# Altium PCB freq_conv_test_unit_pcb (3).PcbDoc (continued)
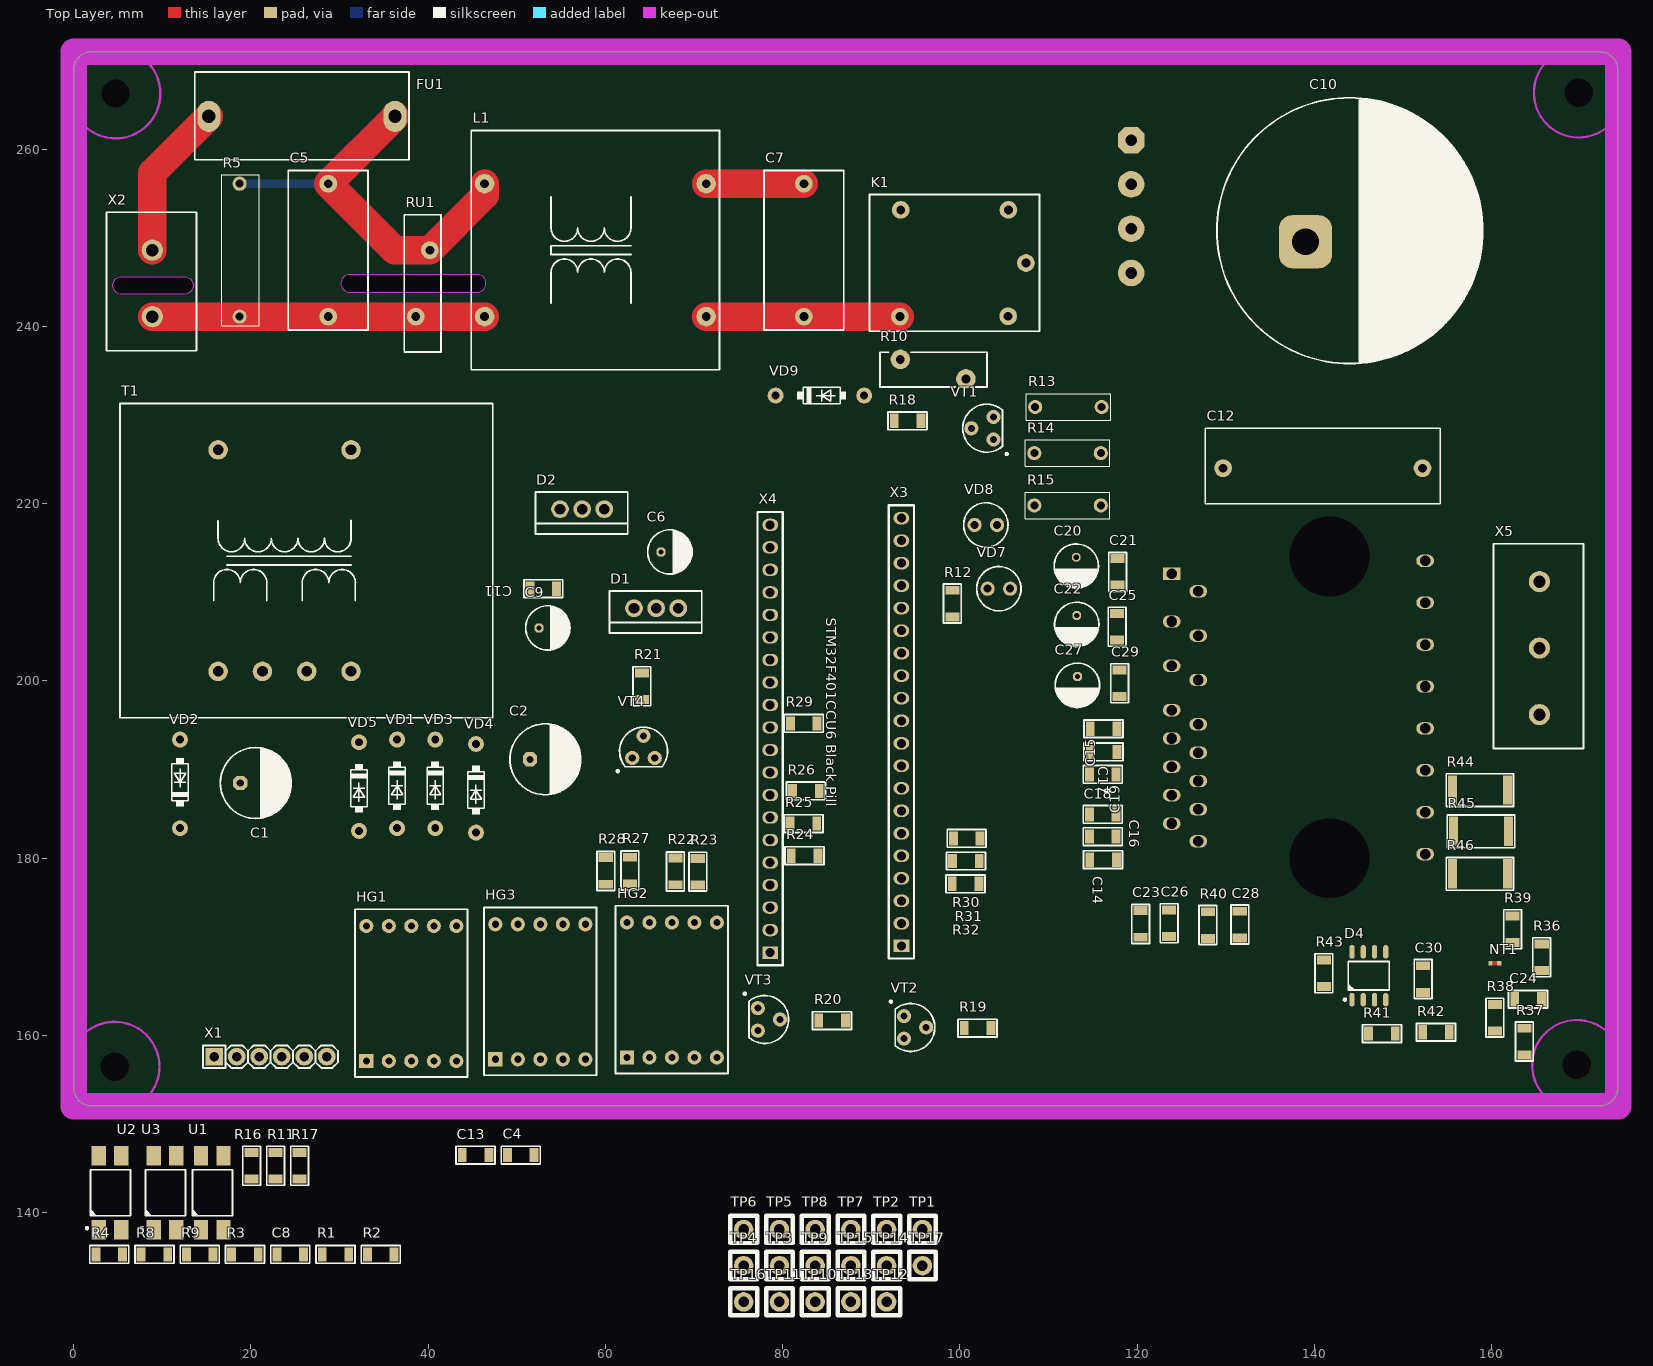
[diagram p0: Top Layer view]
## Components (designator, comment, footprint, x,y, rotation, side; value= is the part's Value field where it differs from the comment) (continued)
HG2 "Single Digit Display LED, , -25...+85°C, TOS-5161AMR-N" TOS-5161AMR-N 62.42,157.5 r90 top
HG3 "Single Digit Display LED, , -25...+85°C, TOS-5161AMR-N" TOS-5161AMR-N 47.58,157.3 r90 top
K1 "SRD-05VDC-SL-C" SRD-05VDC-SL-C 99.95,247.275 r0 top
L1 "Fixed inductor, 2.7mH, ±30%, B82723A, CuNi18Zn20," "IND: B82723A" 46.375,256.1 r0 top value=2.7mH
NT1 "Net_Tie" "NET TIE 0.5_1.5" 160.375,168.15 r0 top
R1 "Resistor film, 4.7k, ±5%, 1206, 0.25W, -55...+125°C" "RES: 1206" 29.544,135.284 r0 top value=4.7k
R2 "Resistor film, 2k, ±5%, 1206, 0.25W, -55...+125°C" "RES: 1206" 34.652,135.284 r0 top value=2k
R3 "Resistor film, 10k, ±5%, 1206, 0.25W, -55...+125°C" "RES: 1206" 19.328,135.284 r0 top value=10k
R4 "Resistor film, 4.7k, ±5%, 1206, 0.25W, -55...+125°C" "RES: 1206" 4.004,135.284 r0 top value=4.7k
R5 "" "RES: Axial 15mm" 18.725,241.1 r90 top value=1M
R6 "Resistor film, 100R, ±5%, 1206, 0.25W, -55...+125°C" "RES: 1206" 71,212.975 r270 bottom value=100R
R7 "Resistor film, 100R, ±5%, 1206, 0.25W, -55...+125°C" "RES: 1206" 66.85,211.525 r180 bottom value=100R
R8 "Resistor film, 2k, ±5%, 1206, 0.25W, -55...+125°C" "RES: 1206" 9.112,135.284 r0 top value=2k
R9 "Resistor film, 10k, ±5%, 1206, 0.25W, -55...+125°C" "RES: 1206" 14.22,135.284 r0 top value=10k
R10 "NTC resistor, 33, ±20%, pitch 7.5mm, 2.5A, -55...+170°C" "RES: B57237 (NTC)" 100.975,235.175 r180 top value=33
R11 "Resistor film, 4.7k, ±5%, 1206, 0.25W, -55...+125°C" "RES: 1206" 22.786,145.292 r270 top value=4.7k
R12 "Resistor film, 100R, ±5%, 1206, 0.25W, -55...+125°C" "RES: 1206" 99.15,208.725 r270 top value=100R
R13 "" "RES: Axial 7.62MM" 108.5,230.9 r0 top value=150k
R14 "" "RES: Axial 7.62MM" 115.9,225.7 r180 top value=150k
R15 "" "RES: Axial 7.62MM" 108.4,219.8 r0 top value=150k
R16 "Resistor film, 2k, ±5%, 1206, 0.25W, -55...+125°C" "RES: 1206" 20.078,145.292 r270 top value=2k
R17 "Resistor film, 10k, ±5%, 1206, 0.25W, -55...+125°C" "RES: 1206" 25.494,145.292 r270 top value=10k
R18 "Resistor film, 100R, ±5%, 1206, 0.25W, -55...+125°C" "RES: 1206" 94.1,229.35 r0 top value=100R
R19 "Resistor film, 1.5k, ±5%, 1206, 0.25W, -55...+125°C" "RES: 1206" 102,160.825 r180 top value=1.5k
R20 "Resistor film, 1.5k, ±5%, 1206, 0.25W, -55...+125°C" "RES: 1206" 85.575,161.675 r180 top value=1.5k
R21 "Resistor film, 1.5k, ±5%, 1206, 0.25W, -55...+125°C" "RES: 1206" 64.125,199.4 r270 top value=1.5k
R22 "Resistor film, 75, ±5%, 1206, 0.25W, -55...+125°C" "RES: 1206" 67.9,178.5 r270 top value=75
R23 "Resistor film, 75, ±5%, 1206, 0.25W, -55...+125°C" "RES: 1206" 70.425,178.475 r270 top value=75
R24 "Resistor film, 75, ±5%, 1206, 0.25W, -55...+125°C" "RES: 1206" 82.475,180.275 r0 top value=75
R25 "Resistor film, 75, ±5%, 1206, 0.25W, -55...+125°C" "RES: 1206" 82.35,183.9 r0 top value=75
R26 "Resistor film, 75, ±5%, 1206, 0.25W, -55...+125°C" "RES: 1206" 82.625,187.575 r0 top value=75
R27 "Resistor film, 75, ±5%, 1206, 0.25W, -55...+125°C" "RES: 1206" 62.775,178.6 r270 top value=75
R28 "Resistor film, 75, ±5%, 1206, 0.25W, -55...+125°C" "RES: 1206" 60.05,178.55 r270 top value=75
R29 "Resistor film, 75, ±5%, 1206, 0.25W, -55...+125°C" "RES: 1206" 82.375,195.2 r0 top value=75
R30 "Resistor film, 100, ±5%, 1206, 0.25W, -55...+125°C" "RES: 1206" 100.638,177.1 r0 top value=100
R31 "Resistor film, 100, ±5%, 1206, 0.25W, -55...+125°C" "RES: 1206" 100.688,179.675 r0 top value=100
R32 "Resistor film, 100, ±5%, 1206, 0.25W, -55...+125°C" "RES: 1206" 100.763,182.225 r0 top value=100
R33 "Resistor film, 100, ±5%, 1206, 0.25W, -55...+125°C" "RES: 1206" 100.863,184.925 r0 bottom value=100
R34 "Resistor film, 100, ±5%, 1206, 0.25W, -55...+125°C" "RES: 1206" 100.838,187.45 r0 bottom value=100
R35 "Resistor film, 100, ±5%, 1206, 0.25W, -55...+125°C" "RES: 1206" 101.025,190.7 r0 bottom value=100
R36 "Resistor film, 100, ±5%, 1206, 0.25W, -55...+125°C" "RES: 1206" 165.65,168.825 r90 top value=100
R37 "Resistor film, 100, ±5%, 1206, 0.25W, -55...+125°C" "RES: 1206" 163.7,159.3 r90 top value=100
R38 "Resistor film, 100, ±5%, 1206, 0.25W, -55...+125°C" "RES: 1206" 160.375,162 r90 top value=100
R39 "Resistor film, 1k, ±5%, 1206, 0.25W, -55...+125°C" "RES: 1206" 162.375,171.975 r90 top value=1k
R40 "Resistor film, 3.6k, ±5%, 1206, 0.25W, -55...+125°C" "RES: 1206" 127.988,172.45 r270 top value=3.6k
R41 "Resistor film, 24k, ±5%, 1206, 0.25W, -55...+125°C" "RES: 1206" 147.625,160.2 r0 top value=24k
R42 "Resistor film, 240, ±5%, 1206, 0.25W, -55...+125°C" "RES: 1206" 153.725,160.35 r180 top value=240
R43 "Resistor film, 4.7k, ±5%, 1206, 0.25W, -55...+125°C" "RES: 1206" 141.075,167 r90 top value=4.7k
R44 "Resistor film, 0.01, ±1%, 2512, 1W, -55...+125°C" "RES: 2512" 158.675,187.675 r0 top value=0.01
R45 "Resistor film, 0.01, ±1%, 2512, 1W, -55...+125°C" "RES: 2512" 158.8,183.025 r0 top value=0.01
R46 "Resistor film, 0.01, ±1%, 2512, 1W, -55...+125°C" "RES: 2512" 158.675,178.225 r0 top value=0.01
RU1 "Varistor, 275VAC, pitch 7mm,  -40…85°C" "VARISTOR: B72214" 40.2,248.6 r270 top
T1 "Transformer, TP112-11" "TRANS: TP-112" 26.287,213.587 r0 top
TP1 "Test_Point" "TEST POINT KEYSTONE" 95.769,138.092 r0 top
TP2 "Test_Point" "TEST POINT KEYSTONE" 91.736,138.092 r0 top
TP3 "Test_Point" "TEST POINT KEYSTONE" 79.637,134.009 r0 top
TP4 "Test_Point" "TEST POINT KEYSTONE" 75.604,134.009 r0 top
TP5 "Test_Point" "TEST POINT KEYSTONE" 79.637,138.092 r0 top
TP6 "Test_Point" "TEST POINT KEYSTONE" 75.604,138.092 r0 top
TP7 "Test_Point" "TEST POINT KEYSTONE" 87.703,138.092 r0 top
TP8 "Test_Point" "TEST POINT KEYSTONE" 83.67,138.092 r0 top
TP9 "Test_Point" "TEST POINT KEYSTONE" 83.67,134.009 r0 top
TP10 "Test_Point" "TEST POINT KEYSTONE" 83.67,129.926 r0 top
TP11 "Test_Point" "TEST POINT KEYSTONE" 79.637,129.926 r0 top
TP12 "Test_Point" "TEST POINT KEYSTONE" 91.736,129.926 r0 top
TP13 "Test_Point" "TEST POINT KEYSTONE" 87.703,129.926 r0 top
TP14 "Test_Point" "TEST POINT KEYSTONE" 91.736,134.009 r0 top
TP15 "Test_Point" "TEST POINT KEYSTONE" 87.703,134.009 r0 top
TP16 "Test_Point" "TEST POINT KEYSTONE" 75.604,129.926 r0 top
TP17 "Test_Point" "TEST POINT KEYSTONE" 95.769,134.009 r0 top
U1 "IC optoisolator, 4µs/3µs, 5000Vrms, 35V, -40...+125°C, 4-SMD" 4-SMD 15.62,142.242 r90 top
U2 "IC optoisolator, 4µs/3µs, 5000Vrms, 35V, -40...+125°C, 4-SMD" 4-SMD 4.104,142.242 r90 top
U3 "IC optoisolator, 4µs/3µs, 5000Vrms, 35V, -40...+125°C, 4-SMD" 4-SMD 10.312,142.242 r90 top
VD1 "Single diode, 60V, 1A, 650mV, ?, DO-41,  -65…+150°C" "DIODE: DO41" 36.5,188.375 r90 top
VD2 "Single diode, 1000V, 1A, 1.1V, , DO-41, -65...+175 C" "DIODE: DO41" 12,188.375 r270 top
VD3 "Single diode, 60V, 1A, 650mV, ?, DO-41,  -65…+150°C" "DIODE: DO41" 40.8,188.375 r90 top
VD4 "Single diode, 60V, 1A, 650mV, ?, DO-41,  -65…+150°C" "DIODE: DO41" 45.4,187.875 r90 top
VD5 "Single diode, 60V, 1A, 650mV, ?, DO-41,  -65…+150°C" "DIODE: DO41" 32.2,188.075 r90 top
VD6 "Single phase rectifier, 1000V, 25A, 1.1V, GBJ, Molded plastic, -55...+150°C" "DIODE: KBU6M" 119.325,253.525 r270 bottom
VD7 "LED, Green, *, *, *, -55...+150°C" "LED: Axial 3MM GREEN" 104.4,210.4 r0 top
VD8 "LED, RED, *, *, *, -55...+150°C" "LED: Axial 3MM RED" 102.93,217.6 r0 top
VD9 "Single diode, 1000V, 1A, 1.1V, , DO-41, -65...+175 C" "DIODE: DO41" 84.2,232.2 r180 top
VT1 "NPN transistor, 40V, 1.5A, 190MHz, 1W, 0.5Vmax, 120...200, TO-92, 150°C" SC_TO-92 103.8,228.5 r0 top
VT2 "NPN transistor, 40V, 1.5A, 190MHz, 1W, 0.5Vmax, 120...200, TO-92, 150°C" SC_TO-92 93.695,160.9 r180 top
VT3 "NPN transistor, 40V, 1.5A, 190MHz, 1W, 0.5Vmax, 120...200, TO-92, 150°C" SC_TO-92 77.2,161.8 r180 top
VT4 "NPN transistor, 40V, 1.5A, 190MHz, 1W, 0.5Vmax, 120...200, TO-92, 150°C" SC_TO-92 64.3,191.295 r270 top
X1 "Connector, 6pin, 2.54mm, 500VAC, 3A" "CON: PLS-6" 22.21,157.6 r0 top
X2 "Connector, 2pin, 9.53mm, 300VAC, 16A" DG128-7.5-02P 8.875,248.6 r270 top
X3 "Connector, 20pin, 2.54mm, 500VAC, 3A" "PBS-20 narrow pitch" 93.4,194.23 r90 top
X4 "Connector, 20pin, 2.54mm, 500VAC, 3A" "PBS-20 narrow pitch" 78.6,193.47 r90 top
X5 "Connector, 3pin, 9.53mm, 300VAC, 16A" DG128-7.5-03P 165.4,211.2 r270 top

## Footprints (in the part's own frame and the unit in brackets; to place one, negate y for a bottom-side part, rotate by r counter-clockwise, add the part's x,y. Pads: shape width x height; smd on the part's side, far side on the other; paste and mask are expansions set on the pad)
4-SMD [mm] "SOIC, 4-Leads, Body 4,60x6,50mm, Pitch 1,27mm, IPC Medium Density"
  rect 2.2x1.6 smd: 1(-4.2,1.27) 2(-4.2,-1.27) 3(4.2,-1.27) 4(4.2,1.27)
  round 0.5 on Mech1: ""(-2.1,1.7)
  silkscreen extent -4.12,-2.3 2.6,2.72, body extent -5,-2.28 5,2.3, height 3.75
8-SOIC [mm] "pitch 1.27 mm"
  rrect100% 1.55x0.6 smd: 1(-2.7,1.905) 2(-2.7,0.635) 3(-2.7,-0.635) 4(-2.7,-1.905) 5(2.7,-1.905) 6(2.7,-0.635) 7(2.7,0.635) 8(2.7,1.905)
  round 0.7 on Mech1: 28(-2.395,1.8)
  silkscreen extent -2.82,-2.3 1.61,2.82, body extent -3,-2.45 3,2.45, height 1.75
"CAP: 1206" [mm]
  rect 1x1.6 smd: 1(-1.5,0) 2(1.5,0)
  silkscreen extent -2.2,-1 2.2,1, body extent -1.6,-0.8 1.6,0.8, height 1
"CAP: B32673" [mm]
  round 2 hole 1: 1(0,0) 2(22.5,0)
  silkscreen extent -2,-4 24.5,4.5, body extent -1.98,-4.25 24.52,4.26, height 16.29
"CAP: B32922" [mm]
  round 2 hole 1: 1(-7.5,0) 2(7.5,0)
  silkscreen extent -9,-4.5 9,4.5, body extent -9,-4.5 9,4.5, height 18.1
"CAP: D5C2H11" [mm]
  oct 1x1 hole 0.6: 1(-1,0)
  round 1 hole 0.6: 2(1,0)
  silkscreen extent -2.5,-2.5 2.5,2.5, body extent -2.75,-2.75 2.75,2.75, height 13.5
"CAP: D8C3.5H12" [mm]
  oct 1.6x1.6 hole 0.8: 1(-1.75,0)
  round 1.6 hole 0.8: 2(1.75,0)
  silkscreen extent -4,-4 4,4, body extent -4.25,-4.25 4.25,4.25, height 13
"CAP: D30C10H37" [mm]
  rrect50% 6x6 hole 3: 1(0,0) 2(10.5,2.5)
  silkscreen extent -10,-13.8 20,16.25, body extent -12.7,-16.47 22.61,18.84, height 36.83
"CON: PLS-6" [mm]
  rect 2x2 hole 1.1: 1(-6.35,0)
  round 2 hole 1.1: 2(-3.81,0) 3(-1.27,0) 4(1.27,0) 5(3.81,0) 6(6.35,0)
  silkscreen extent -7.62,-1.27 7.62,1.27, body extent -7.62,-1.27 7.62,1.27, height 8.54
DG128-7.5-02P [mm]
  round 2.4 hole 1.4: 1(0,0) 2(7.5,0)
  round 0.5 on Top Overlay: ""(-3.2,-4.225)
  silkscreen extent -4.27,-5.18 11.35,4.97, body extent -4.3,-5.23 11.3,4.97, height 14.1
DG128-7.5-03P [mm]
  round 2.4 hole 1.4: 1(0,0) 2(7.5,0) 3(15,0)
  round 0.5 on Top Overlay: ""(-3.2,-4.225)
  silkscreen extent -4.27,-5.18 18.82,4.97, body extent -4.33,-5.25 18.77,4.95, height 14.1
"DIODE: DO41" [mm]
  round 1.8 hole 0.9: 1(-5,0) 2(5,0)
  silkscreen extent -2.91,-0.91 2.52,0.96, body extent -5.41,-1.36 5.45,1.36, height 4.36
"DIODE: KBU6M" [mm]
  oct 3x3 hole 1.3: 1(-7.5,0)
  round 3 hole 1.3: 2(-2.5,0) 3(7.5,0) 4(2.5,0)
  silkscreen extent -12.03,-2.25 12.03,5.15, body extent -11.85,-2.1 11.85,5, height 19.8
"FUSE: FH-101" [mm] "Fuse connector PCB mount"
  oval 2.6x3.5 hole 1.5: 1(-10.5,0) 2(10.5,0)
  silkscreen extent -12.1,-4.9 12.1,5, body extent -12.02,-4.83 11.98,4.97, height 11
"IND: B82723A" [mm]
  round 2.2 hole 1 mask+0.075: 1(25,0) 2(0,0) 3(0,-15) 4(25,-15)
  silkscreen extent -1.5,-21 26.5,6, body extent -1.5,-21 26.5,6, height 16.81
"INF-CIPOS MINI" [mm] "CIPOS MINI;24 pin, 21mm W X 36mm L X 5.6mm H body"
  rect 1.4x2 hole 1.2 paste+0 mask+0: 1(-15.1,14.3)
  oval 1.4x2 hole 1.2 paste+0 mask+0: 2(-13.1,11.3) 3(-9.7,14.3) 4(-8.1,11.3) 5(-4.7,14.3) 6(-3.1,11.3) 7(0.3,14.3) 8(1.9,11.3) 9(3.5,14.3) 10(5.1,11.3) 11(6.7,14.3) 12(8.3,11.3) 13(9.9,14.3) 14(11.5,11.3) 15(13.1,14.3) 16(15.1,11.3) 17(16.555,-14.3) 18(11.825,-14.3) 19(7.095,-14.3) 20(2.365,-14.3) 21(-2.365,-14.3) 22(-7.095,-14.3) 23(-11.825,-14.3) 24(-16.555,-14.3)
  round 0 hole 9 unplated paste+0 mask+0: ""(-17.025,-3.5) ""(17.025,-3.5)
  silkscreen extent -18,-12 18,16.6, body extent -18,-14.56 18,14.56, height 5.61
"LED: Axial 3MM GREEN" [mm]
  round 1.6 hole 0.9: 1(-1.27,0) 2(1.27,0)
  silkscreen extent -2.5,-2.5 2.5,2.5, body extent -1.97,-2 1.7,2, height 7.6
"LED: Axial 3MM RED" [mm]
  round 1.6 hole 0.9: 1(-1.27,0) 2(1.27,0)
  silkscreen extent -2.5,-2.5 2.5,2.5, body extent -1.9,-1.9 1.6,1.9, height 6.5
"NET TIE 0.5_1.5" [mm]
  rect 0.5x0.5 smd: 1(-0.5,0) 2(0.5,0)
  Top Layer region: -0.3,-0.25 0.3,-0.25 0.3,0.25 -0.3,0.25
"PBS-20 narrow pitch" [mil]
  rect 55x70 hole 40: 1(-950,0)
  oval 55x70 hole 40: 2(-850,0) 3(-750,0) 4(-650,0) 5(-550,0) 6(-450,0) 7(-350,0) 8(-250,0) 9(-150,0) 10(-50,0) 11(50,0) 12(150,0) 13(250,0) 14(350,0) 15(450,0) 16(550,0) 17(650,0) 18(750,0) 19(850,0) 20(950,0)
  silkscreen extent -1006,-56 1008,56, body extent -1010,-49 1010,49, height 336
"RES: 1206" [mm]
  rect 1x1.6 smd: 1(-1.5,0) 2(1.5,0)
  silkscreen extent -2.2,-1 2.2,1, body extent -1.65,-0.8 1.55,0.8, height 0.47
"RES: 2512" [mm]
  rect 1x3.3 smd: 1(-3.1,0) 2(3.1,0)
  silkscreen extent -3.8,-1.85 3.8,1.85, body extent -3.17,-1.6 3.17,1.6, height 0.52
"RES: Axial 7.62MM" [mm]
  round 1.6 hole 0.9: 1(0,0) 2(7.5,0)
  silkscreen extent -1,-1.5 8.5,1.5, body extent -0.38,-1.2 7.84,1.2, height 2.7
"RES: Axial 15mm" [mm]
  round 1.6 hole 0.9: 1(0,0) 2(15,0)
  silkscreen extent -1,-2.2 16,2, body extent -0.3,-2.1 15.3,2.1, height 4.7
"RES: B57237 (NTC)" [mm]
  round 2.2 hole 1: 1(0.3,1.1) 2(7.7,-1.1)
  silkscreen extent -2.1,-1.9 10,2, body extent -2,-1.9 10,1.9, height 13
SC_TO-92 [mm] "TO, Flat Index; 3 In-Line, Axial Leads; Body Dia. 5mm; Leads 0.55 x 0.50 mm (max)"
  round 1.6 hole 0.8: 1(0,-1.27) 2(-2.505,0) 3(0,1.27)
  silkscreen extent -3.47,-3.02 1.61,2.71, body extent -5.05,-2.46 0.19,2.54, height 10
SRD-05VDC-SL-C [mm]
  round 2 hole 1: 1(5.5,-6.125) 2(-6.725,-6.175) 3(-6.625,5.875) 4(5.525,5.875) 5(7.5,-0.125)
  silkscreen extent -10.15,-7.83 9.03,7.6, body extent -10.17,-7.88 8.93,7.62, height 16.4
"TEST POINT KEYSTONE" [mm]
  round 2.2 hole 1.2: 1(0,0)
  silkscreen extent -1.5,-1.53 1.52,1.55, body extent -1.27,-1.26 1.27,1.28, height 4.99
TO-220F [mm]
  round 2 hole 1.2: 1(-2.5,0) 2(0,0) 3(2.5,0)
  silkscreen extent -5.15,-1.95 5.25,2.8, body extent -5,-1.6 5.14,3.1, height 19.57
TOS-5161AMR-N [mm]
  rect 1.6x1.6 hole 0.8: 1(0,0)
  round 1.6 hole 0.8: 2(0,-2.54) 3(0,-5.08) 4(0,-7.62) 5(0,-10.16) 6(15.24,-10.16) 7(15.24,-7.62) 8(15.24,-5.08) 9(15.24,-2.54) 10(15.24,0)
  silkscreen extent -1.8,-11.43 17.13,1.27, body extent -1.84,-11.36 17.14,1.22, height 8
"TRANS: TP-112" [mm]
  round 2.2 hole 1.2: 1(-9.988,12.488) 4(5.012,12.488) 7(5.012,-12.512) 8(0.012,-12.512) 9(-4.988,-12.512) 10(-9.988,-12.512)
  silkscreen extent -21.06,-17.74 21.01,17.71, body extent -20.99,-17.79 21.01,17.71, height 41.5
"VARISTOR: B72214" [mm]
  round 2 hole 1: 1(0,0) 2(7.5,-1.6)
  silkscreen extent -4,-2.9 11.5,1.25, body extent -4,-2.92 11.5,1.28, height 18.75

## Part data
C1: library part Aluminium, Manufacturer=?, Package="8x12x3.5 mm", PartNumber=9000565901, Temperature=-40...+105°C, Tolerance=±20%, TypeCapacitor="Aluminium capacitor", Voltage=25V, HelpURL=https://www.chipdip.ru/product0/9000565901, Impedance=54mOhm, Price ChipDip=13, ValueManufacturerPartNumber="Aluminium capacitor, 220μF, 25V, ±20%, 54mOhm, 8x12x3.5 mm, -40...+105°C"
C2: library part Aluminium, Manufacturer=?, Package="8x12x3.5 mm", PartNumber=9000565901, Temperature=-40...+105°C, Tolerance=±20%, TypeCapacitor="Aluminium capacitor", Voltage=35V, HelpURL=https://www.chipdip.ru/product0/9000565902, Impedance=54mOhm, Price ChipDip=13, ValueManufacturerPartNumber="Aluminium capacitor, 220μF, 35V, ±20%, 54mOhm, 8x12x3.5 mm, -40...+105°C"
C3 C11 C21 C23 C24 C25 C29 C30: library part Ceramic_1206, Package=1206, PartNumber="Ceramic capacitor, 0.1μF,   50V", Temperature=-55...+125°C, Tolerance=±10%, TypeCapacitor="Ceramic capacitor", TypeDielectric=X7R, Voltage=50V, HelpURL=https://www.chipdip.ru/product0/42211, Price ChipDip=11, ValueManufacturerPartNumber="Ceramic capacitor, 0.1μF, X7R, ±10%, 50V, 1206, -55...+125°C"
C4 C8 C13: library part Ceramic_1206, Package=1206, PartNumber="Ceramic capacitor, 10nF,   50V", Temperature=-55...+125°C, Tolerance=±10%, TypeCapacitor="Ceramic capacitor", TypeDielectric=X7R, Voltage=50V, HelpURL=https://www.chipdip.ru/product0/17180, Price ChipDip=13, ValueManufacturerPartNumber="Ceramic capacitor, 10nF, X7R, ±10%, 50V, 1206, -55...+125°C"
C5 C7: library part Film, Manufacturer=Epcos, Package=18x14x8, PartNumber=B32922-C3334-K, Temperature=-40...+110°C, Tolerance=±10%, TypeCapacitor="Film capacitor X2", Voltage=305V, HelpURL=https://www.chipdip.ru/product/b32922-c3334-k, Impedance=?, Price ChipDip=59, ValueManufacturerPartNumber="Film capacitor X2, 0.33μF, 305V, ±10%, ?, 18x14x8, -40...+110°C"
C6 C9 C20 C22 C27: library part Aluminium, Manufacturer=?, PartNumber=9000565842, Temperature=-40...+105°C, Tolerance=±20%, TypeCapacitor="Aluminium capacitor", Voltage=25V, HelpURL=https://www.chipdip.ru/product0/9000565842, Impedance=54mOhm, Package=?, Price ChipDip=9, ValueManufacturerPartNumber="Aluminium capacitor, 10μF, 25V, ±20%, 54mOhm, ?, -40...+105°C"
C10: library part Aluminium, Manufacturer="JB Capacitors", Package="30x10x60 mm", PartNumber=JNE2G681M10003000600, Temperature=-25...+105°C, Tolerance=±20%, TypeCapacitor="Aluminium capacitor", Voltage=400V, HelpURL=https://www.chipdip.ru/product0/9000565973, Impedance=?, Price Ali=853, Price ChipDip=700, ValueManufacturerPartNumber="Aluminium capacitor, 680μF, 400V, ±20%, ?, 30x10x60 mm, -25...+105°C"
C12: library part Film, Manufacturer=Epcos, Package="26.5x16.5x8.5 mm", PartNumber=B32683A4104J000, Temperature=-55...+100°C, Tolerance=±10%, TypeCapacitor="Film capacitor", Voltage=400VDC, HelpURL=https://www.chipdip.ru/product0/9000614069, Impedance=?, Price Ali=90, Price ChipDip=160, ValueManufacturerPartNumber="Film capacitor, 0.1μF, 400VDC, ±10%, ?, 26.5x16.5x8.5 mm, -55...+100°C"
C14 C15 C16 C17 C18 C19: library part Ceramic_1206, Package=1206, PartNumber="Ceramic capacitor, 1nF,   50V", Temperature=-55...+125°C, Tolerance=±10%, TypeCapacitor="Ceramic capacitor", TypeDielectric=X7R, Voltage=50V, HelpURL=https://www.chipdip.ru/product0/9000028006, Price ChipDip=8, ValueManufacturerPartNumber="Ceramic capacitor, 1nF, X7R, ±10%, 50V, 1206, -55...+125°C"
C26 C28: library part Ceramic_1206, Package=1206, PartNumber="Ceramic capacitor, 4.7nF,   50V", Temperature=-55...+125°C, Tolerance=±10%, TypeCapacitor="Ceramic capacitor", TypeDielectric=X7R, Voltage=50V, HelpURL=https://www.chipdip.ru/product0/470810702, Price ChipDip=16, ValueManufacturerPartNumber="Ceramic capacitor, 4.7nF, X7R, ±10%, 50V, 1206, -55...+125°C"
D1: library part LM317, "Adjustable voltage regulator", CurrentOutput=1.5A, Manufacturer=STMicroelectronics, Package=TO-220SG, PartNumber=LM317T, Temperature=0...125°C, VoltageInput=1.2…37V, ComponentType="Adjustable voltage regulator", HelpURL=https://www.chipdip.ru/product/lm317t, Price ChipDip=60
D2: library part 78XX, "Linear voltage regulator", CurrentOutput=1.5A, Manufacturer=STMicroelectronics, PartNumber=L7805ACV, VoltageInput=35V, VoltageOutput=5V, ComponentType="Linear voltage regulator", HelpURL=https://www.chipdip.ru/product/l7805acv-dg, Price ChipDip=41
D3: library part IKCM15F60GA, "Fully isolated Dual In-Line molded  IGBT module", CurrentOutput=15A, Manufacturer="INFINEON TECHNOLOGIES AG.", Temperature=-40...+125°C, VoltageSupply=450V, ComponentType="600 V, 15 A three-phase intelligent power module", HelpURL=https://www.infineon.com/cms/en/product/power/intelligent-power-modules-ipm/ikcm15f60ga/, Package=IKCM15F60GA, PartNumber=IKCM15F60GA, Price Ali=700, Price ChipDip=3120, ValueManufacturerPartNumber="600 V, 15 A three-phase intelligent power module, , , 15A, , 450V, -40...+125°C, IKCM15F60GA"
D4: library part LM393ADR, "Low Power Low Offset Voltage Dual Comparator", Manufacturer="UTD Semiconductor Co.,Ltd", Package=SOP-8, Temperature=0…70°C, ComponentType="IC comparator", HelpURL=https://www.chipdip.ru/product0/9001105966?from=suggest_product, OutputType=Rail-to-Rail, PartNumber=LM393ADR, Price ChipDip=7, Propagation Delay=1.3u, Supply="2...36 V, ±1...±18 V", ValueManufacturerPartNumber="IC comparator, Rail-to-Rail, 2...36 V, ±1...±18 V, 0…70°C, SOP-8"
FU1: library part FUSE, Manufacturer="Dragon City Industries", Package=FH-101, HelpURL=https://www.chipdip.ru/product/fh-101, PartNumber=FH-101, Price ChipDip=38, ValueManufacturerPartNumber=#NAME?
HG1 HG2 HG3: library part TOS-5161AMR-N, "Single Digit Display LED", Forward Voltage=2V, Manufacturer="Taiwan Oasis Technology Co., Ltd", Temperature=-25...+85°C, ComponentType="Single Digit Display LED", HelpURL=https://www.chipdip.ru/product/tos-5161amr-n, Package=TOS-5161AMR-N, PartNumber=TOS-5161AMR-N, Price ChipDip=53, ValueManufacturerPartNumber="Single Digit Display LED, , -25...+85°C, TOS-5161AMR-N"
K1: Coil Voltage=5VDC, CurrentMax=10A, Manufacturer="Ningbo Songle Relay", Switching Voltage="(250VAC , 110VDC) Max", HelpURL=https://www.chipdip.ru/product0/8001965486?from=suggest_product, PartNumber=SRD-05VDC-SL-C, Price ChipDip=160
L1: library part B82723A, Manufacturer="TDK (TDK-Lambda)", PartNumber=B82723A2402N1, Rated voltage=250V, Stray inductance=30uH, Tolerance=±30%, TypeInductor="Fixed inductor", HelpURL=https://www.chipdip.ru/product0/8534720954, Package=B82723A, Price ChipDip=400, TypeMatiriel=CuNi18Zn20, ValueManufacturerPartNumber="Fixed inductor, 2.7mH, ±30%, B82723A, CuNi18Zn20,"
R1 R2 R3 R4 R6 R7 R8 R9 R11 R12 R16 R17 R18 R19 R20 R21 R22 R23 R24 R25 R26 R27 R28 R29 R30 R31 R32 R33 R34 R35 R36 R37 R38 R39 R40 R41 R42 R43: library part Resistor_1206, Manufacturer=Yageo, Package=1206, PartNumber=RC1206JR-07100RL, Power=0.25W, Temperature=-55...+125°C, Tolerance=±5%, TypeResistor="Resistor film", HelpURL=https://www.digikey.com/product-detail/en/yageo/RC1206JR-07100RL/311-100ERCT-ND/732153
  R1 R4 R11 R43: ValueManufacturerPartNumber="Resistor film, 4.7k, ±5%, 1206, 0.25W, -55...+125°C"
  R2 R8 R16: ValueManufacturerPartNumber="Resistor film, 2k, ±5%, 1206, 0.25W, -55...+125°C"
  R3 R9 R17: ValueManufacturerPartNumber="Resistor film, 10k, ±5%, 1206, 0.25W, -55...+125°C"
  R6 R7 R12 R18: ValueManufacturerPartNumber="Resistor film, 100R, ±5%, 1206, 0.25W, -55...+125°C"
  R19 R20 R21: ValueManufacturerPartNumber="Resistor film, 1.5k, ±5%, 1206, 0.25W, -55...+125°C"
  R22 R23 R24 R25 R26 R27 R28 R29: ValueManufacturerPartNumber="Resistor film, 75, ±5%, 1206, 0.25W, -55...+125°C"
  R30 R31 R32 R33 R34 R35 R36 R37 R38: ValueManufacturerPartNumber="Resistor film, 100, ±5%, 1206, 0.25W, -55...+125°C"
  R39: ValueManufacturerPartNumber="Resistor film, 1k, ±5%, 1206, 0.25W, -55...+125°C"
  R40: ValueManufacturerPartNumber="Resistor film, 3.6k, ±5%, 1206, 0.25W, -55...+125°C"
  R41: ValueManufacturerPartNumber="Resistor film, 24k, ±5%, 1206, 0.25W, -55...+125°C"
  R42: ValueManufacturerPartNumber="Resistor film, 240, ±5%, 1206, 0.25W, -55...+125°C"
R5: library part Resistor_Axial, Tolerance=±5%
R10: library part NTC, Manufacturer=Epcos, MaxCurrent=2.5A, Package="pitch 7.5mm", PartNumber=B57237S0330M, Temperature=-55...+170°C, Tolerance=±20%, TypeResistor="NTC resistor", HelpURL=https://www.chipdip.ru/product0/8692974334, Price ChipDip=38, ValueManufacturerPartNumber="NTC resistor, 33, ±20%, pitch 7.5mm, 2.5A, -55...+170°C"
R13 R14 R15: library part Resistor_Axial, PartNumber=Resistor, Tolerance=±5%, Price ChipDip=6
R44 R45 R46: library part Resistor_2512, Manufacturer="UNI-ROYAL(Uniroyal Elec)", Package=2512, PartNumber=25121WF100MT4E, Power=1W, Temperature=-55...+125°C, Tolerance=±1%, TypeResistor="Resistor film", HelpURL=https://static.chipdip.ru/lib/922/DOC012922563.pdf, Price DKO=10, ValueManufacturerPartNumber="Resistor film, 0.01, ±1%, 2512, 1W, -55...+125°C"
RU1: library part Varistor, Manufacturer=EPCOS, MaxVoltage=275VAC, Package="pitch 7mm", PartNumber="B72214-S 271-K101", Temperature=-40…85°C, HelpURL=https://www.chipdip.ru/product/b72214-s271-k101, Price ChipDip=36, TypeResistor=Varistor, ValueManufacturerPartNumber="Varistor, 275VAC, pitch 7mm,  -40…85°C"
T1: library part TP-112, Manufacturer=Epcos, Package=TP112-11, PartNumber=B66208W1010T001, HelpURL=http://ferrite.ru/warehouse/e-25-13-7-karkas-b66208w1010t001.html, TypeTransformer=Transformer, ValueManufacturerPartNumber="Transformer, TP112-11"
U1 U2 U3: library part LTV-817, "Optoisolator", Manufacturer=Lite-On, Package=4-SMD, PartNumber=LTV-817S, Temperature=-40...+125°C, ComponentType="IC optoisolator", DataRate=4µs/3µs, HelpURL=https://www.chipdip.ru/product/pc817-ltv817s, Isolation=5000Vrms, Price ChipDip=24, Supply=35V, ValueManufacturerPartNumber="IC optoisolator, 4µs/3µs, 5000Vrms, 35V, -40...+125°C, 4-SMD"
VD1 VD3 VD4 VD5: library part Diode_single, Current=1A, Manufacturer="VISHAY INTERTECHNOLOGY INC.", Package=DO-41, PartNumber=SB160-E3/54, Temperature=-65…+150°C, Voltage=60V, VoltageDrop=650mV, HelpURL=https://www.digikey.com/product-detail/en/stmicroelectronics/1N5819/497-6610-1-ND/1865421, Price ChipDip=32, RecoveryTime=?, TypeDiode="Single diode", ValueManufacturerPartNumber="Single diode, 60V, 1A, 650mV, ?, DO-41,  -65…+150°C"
VD2 VD9: library part Diode_single, Current=1A, Manufacturer="Diotec Semiconductor", Package=DO-41, PartNumber=1N4007, Temperature="-65...+175 C", Voltage=1000V, VoltageDrop=1.1V, HelpURL=https://www.chipdip.ru/product/1n4007, Price ChipDip=5, TypeDiode="Single diode", ValueManufacturerPartNumber="Single diode, 1000V, 1A, 1.1V, , DO-41, -65...+175 C"
VD6: library part "1PH rectifier", Current=25A, Manufacturer=SMC, Package="GBJ, Molded plastic", PartNumber=GBJ2510, Temperature=-55...+150°C, Voltage=1000V, VoltageDrop=1.1V, HelpURL=https://www.infinite-electronic.ru/datasheet/5a-GBJ2506TB.pdf, Price Ali=79, Price ChipDip=71, TypeDiode="Single phase rectifier", ValueManufacturerPartNumber="Single phase rectifier, 1000V, 25A, 1.1V, GBJ, Molded plastic, -55...+150°C"
VD7: library part LED_single, Color=GREEN, ColorParameter=Green, PartNumber="Green Led", Temperature=-55...+150°C, TypeDiode=LED, ValueManufacturerPartNumber="LED, Green, *, *, *, -55...+150°C"
VD8: library part LED_single, Color=RED, PartNumber="Red Led", Temperature=-55...+150°C, ColorParameter=RED, TypeDiode=LED, ValueManufacturerPartNumber="LED, RED, *, *, *, -55...+150°C"
VT1 VT2 VT3 VT4: library part SS8050CBU, CurrentCE=1.5A, CurrentGain=120...200, Frequency=190MHz, Manufacturer="ON Semiconductor", MaxPower=1W, Package=TO-92, Temperature=150°C, VoltageCE=40V, VoltageSaturation=0.5Vmax, HelpURL=https://www.chipdip.ru/product/s8050, PartNumber=SS8050CBU, Price ChipDip=19, TypeTransistor="NPN transistor", ValueManufacturerPartNumber="NPN transistor, 40V, 1.5A, 190MHz, 1W, 0.5Vmax, 120...200, TO-92, 150°C"
X1: library part PLS-6, CurrentMax=3A, Manufacturer=Connfly, VoltageMax=500VAC, CommentText="\"Разъем\"", HelpURL=https://www.chipdip.ru/product/pls-6, Multichannel=6pin, PartNumber=PLS-6, Pitch=2.54mm, Price ChipDip=8, TypeConnector=Connector, ValueManufacturerPartNumber="Connector, 6pin, 2.54mm, 500VAC, 3A"
X2: library part "KLS2-128-7.50-02P-4S (DG128-7.5-02P)", CurrentMax=16A, Manufacturer="KLS electronic co ltd", PartNumber=KLS2-128-7.50-02P-4S, VoltageMax=300VAC, CommentText="\"Разъем\"", HelpURL=https://www.chipdip.ru/product/kls2-128-7.50-02p-4s-dg128-7.5-02p, Multichannel=2pin, Pitch=9.53mm, Price ChipDip=16, TypeConnector=Connector, ValueManufacturerPartNumber="Connector, 2pin, 9.53mm, 300VAC, 16A"
X3 X4: library part PBS-20, CurrentMax=3A, Manufacturer=Connfly, PartNumber=PBD-20, VoltageMax=500VAC, CommentText="\"Разъем\"", HelpURL=https://www.chipdip.ru/product/pbd-20, Multichannel=20pin, Pitch=2.54mm, TypeConnector=Connector, ValueManufacturerPartNumber="Connector, 20pin, 2.54mm, 500VAC, 3A"
X5: library part DG128-7.5-03P-14, CurrentMax=16A, Manufacturer="Degson Electronics", VoltageMax=300VAC, CommentText="\"Разъем\"", HelpURL=https://www.chipdip.ru/product0/8007163542, Multichannel=3pin, PartNumber=DG128-7.5-03P-14, Pitch=9.53mm, Price ChipDip=37, TypeConnector=Connector, ValueManufacturerPartNumber="Connector, 3pin, 9.53mm, 300VAC, 16A"

## Free pads (board coordinates)
  oval 1.5x1.6 hole 3.2: 6(4.625,156.475) 6(4.725,266.275) 6(169.625,156.675) 6(169.825,266.375)

## Nets (pads, with @x,y where several pads share a name; then routed paths per layer and width w, separated by ;. In a path a pad name is that pad's centre, name@x,y a point inside that pad or via, vN(x,y) a via of type N, cw(c..) or ccw(c..) an arc to the next point about the centre after c; other vN are vias at no path point)
3.3V: R43.2 U1.4 U2.4 U3.4 X3.20 X4.3
5V: C9.1 C11.2 C30.2 D2.3 D4.8 K1.4 R12.2 R41.2 TP2.1 VD9.2 X3.18 X4.1
+21V_ISO: C1.1 R1.1 R4.1 R11.1 VD2.2
-21V_ISO: C1.2 T1.9 X1.6
A: R22.1 X4.4
AHG: HG1.7 HG2.7 HG3.7 R22.2
B: R23.1 X4.5
BHG: HG1.6 HG2.6 HG3.6 R23.2
BTN: C8.2 R9.1
BTN_ISO: U2.2 X1.3
C: R24.1 X4.6
CHG: HG1.4 HG2.4 HG3.4 R24.2
D: R25.1 X4.7
DCP+: C10.1 C12.1 D3.23 R13.2 VD6.3
DCP_ON: R18.1 X3.17
DGND: C2.2 C3.1 C4.1 C6.2 C8.1 C9.2 C11.1 C13.1 C14.2 C15.1 C16.2 C17.1 C18.2 C19.1 C23.1 C24.1 C26.1 C28.1 C30.1 D2.2 D3.16 D4.4 D4.5 D4.6 NT1.1 R2.1 R6.1 R8.1 R16.1 R40.1 R42.1 TP12.1 VD1.1 VD4.1 VD7.2 VT1.1 VT2.1 VT3.1 VT4.1 X3.19 X4.2
DHG: HG1.2 HG2.2 HG3.2 R25.2
DIR: C4.2 R3.1
DIR_ISO: U1.2 X1.1
DP: R29.1 X4.11
DPHG: HG1.5 HG2.5 HG3.5 R29.2
E: R26.1 X4.8
EHG: HG1.1 HG2.1 HG3.1 R26.2
F: R27.1 X4.9
FHG: HG1.9 HG2.9 HG3.9 R27.2
G: R28.1 X4.10
GHG: HG1.10 HG2.10 HG3.10 R28.2
GND: C10.2 C12.2 NT1.2 R44.2 R45.2 R46.2 TP13.1 VD6.1 VD8.2
HINU: R30.1 X3.5
HINV: R31.1 X3.6
HINW: R32.1 X3.7
ITRIP: C28.2 D3.15 D4.1 R43.1 TP17.1
KA1: R19.1 X4.12
KA2: R20.1 X4.13
KA3: R21.1 X4.14
KAHG1: HG1.3 HG1.8 VT2.3
KAHG2: HG2.3 HG2.8 VT3.3
KAHG3: HG3.3 HG3.8 VT4.3
LAC: C7.1 L1.1 T1.1 VD6.2 | length 22
  Top Layer w3.2: L1.1 C7.1
  Bottom Layer w3.2: L1.1 C7.1
LINU: R33.1 X3.2
LINV: R34.1 X3.3
LINW: R35.1 X3.4
NAC: C7.2 K1.2 L1.4 R10.2 T1.4 | length 43.7
  Top Layer w3.2: L1.4 C7.2 K1.2
  Bottom Layer w3.2: L1.4 C7.2 K1.2
NetC2_1: C2.1 C3.2 D1.3 VD3.2 VD5.2
NetC5_1: C5.1 FU1.2 L1.2 R5.2 RU1.1 | length 80.7
  Top Layer w3.2: FU1.2 36.25,263.625 C5.1 36.225,248.6 RU1.1 46.375,254.775 L1.2
  Bottom Layer w1: R5.2 C5.1
  Bottom Layer w3.2: FU1.2 28.725,256.175 C5.1 36.225,248.6 RU1.1 46.375,254.775 L1.2
NetC5_2: C5.2 L1.3 R5.1 RU1.2 X2.2 | length 75
  Top Layer w3.2: X2.2 R5.1 C5.2 RU1.2 L1.3
  Bottom Layer w3.2: X2.2 R5.1 C5.2 RU1.2 L1.3
NetC14_1: C14.1 D3.7 R30.2 TP3.1
NetC15_2: C15.2 D3.12 R35.2 TP4.1
NetC16_1: C16.1 D3.8 R31.2 TP5.1
NetC17_2: C17.2 D3.11 R34.2 TP6.1
NetC18_1: C18.1 D3.9 R32.2 TP7.1
NetC19_2: C19.2 D3.10 R33.2 TP8.1
NetC20_1: C20.1 C21.1 D3.6
NetC20_2: C20.2 C21.2 D3.5
NetC22_1: C22.1 C25.1 D3.4
NetC22_2: C22.2 C25.2 D3.3
NetC24_2: C24.2 R36.2 R37.2 R38.2 R39.1
NetC27_1: C27.1 C29.1 D3.2
NetC27_2: C27.2 C29.2 D3.1
NetD1_1: D1.1 R6.2 R7.1
NetD3_20: D3.20 TP16.1 X5.3
NetD3_21: D3.21 TP15.1 X5.2
NetD3_22: D3.22 TP14.1 X5.1
NetD4_3: D4.3 R41.1 R42.2 TP11.1
NetFU1_1: FU1.1 X2.1 | length 35.5
  Top Layer w3.2: X2.1 8.875,257.325 FU1.1
  Bottom Layer w3.2: X2.1 8.875,257.325 FU1.1
NetK1_1: K1.1 VD9.1 VT1.3
NetK1_5: K1.5 R10.1 VD6.4
NetR1_2: R1.2 U1.1
NetR2_2: R2.2 R3.2 U1.3
NetR4_2: R4.2 U2.1
NetR8_2: R8.2 R9.2 U2.3
NetR11_2: R11.2 U3.1
NetR12_1: R12.1 VD7.1
NetR13_1: R13.1 R14.2
NetR14_1: R14.1 R15.2
NetR15_1: R15.1 VD8.1
NetR16_2: R16.2 R17.2 U3.3
NetR18_2: R18.2 VT1.2
NetR19_2: R19.2 VT2.2
NetR20_2: R20.2 VT3.2
NetR21_2: R21.2 VT4.2
NetT1_7: T1.7 VD3.1 VD4.2
NetT1_8: T1.8 VD1.2 VD5.1
NetT1_10: T1.10 VD2.1
SENS: D4.2 R39.2 TP10.1
SPEED: C13.2 R17.1
SPEED_ISO: U3.2 X1.2
U_SENS: D3.19 R36.1 R44.1
V_SENS: D3.18 R37.1 R45.1
VDD: C6.1 C23.2 D1.2 D2.1 D3.13 R7.2 TP1.1
VFO: C26.2 D3.14 R40.2 TP9.1
W_SENS: D3.17 R38.1 R46.1
pads on no net: D3. D3.24 D4.7 D4.28 K1.3 U1. U2. U3. X1.4 X1.5 X2. X3.1 X3.8 X3.9 X3.10 X3.11 X3.12 X3.13 X3.14 X3.15 X3.16 X4.15 X4.16 X4.17 X4.18 X4.19 X4.20 X5.

## Keep-outs
Keep-Out Layer:
  circle w0.254: c169.625,156.675 r5.056
  circle w0.254: c4.625,156.475 r5.056
  circle w0.254: c169.825,266.375 r5.056
  circle w0.254: c4.725,266.275 r5.056
  lines w3: 0,152 174.3,152 174.3,271 0,271 0,152

## Silkscreen, mask and mechanical layers (free items; w line width, h text height)
Top Overlay:
  text "STM32F401CCU6 Black Pill" at 84.928,207.097 h1.14 r270
Mechanical 3:
  lines w0.1: 0,154.05 ccw(c2,154.05) 2,152.05 172.225,152.05 ccw(c172.225,154.05) 174.225,154.05 174.225,268.975 ccw(c172.225,268.975) 172.225,270.975 2,270.975 ccw(c2,268.975) 0,268.975 0,154.05
  lines w0.254: 12.475,245.625 5.425,245.625 ccw(c5.425,244.625) 5.425,243.625 ; 12.475,245.625 cw(c12.475,244.625) 12.475,243.625 5.425,243.625 ; 45.525,243.85 31.15,243.85 cw(c31.15,244.85) 31.15,245.85 45.525,245.85 45.525,245.85 cw(c45.525,244.85) 45.525,243.85 ; 5.425,243.625 5.425,243.625 ; 5.425,243.625 5.425,243.625